# KiCad board HPM1500_DDR2_CORE_RevA.kicad_pcb (continued)
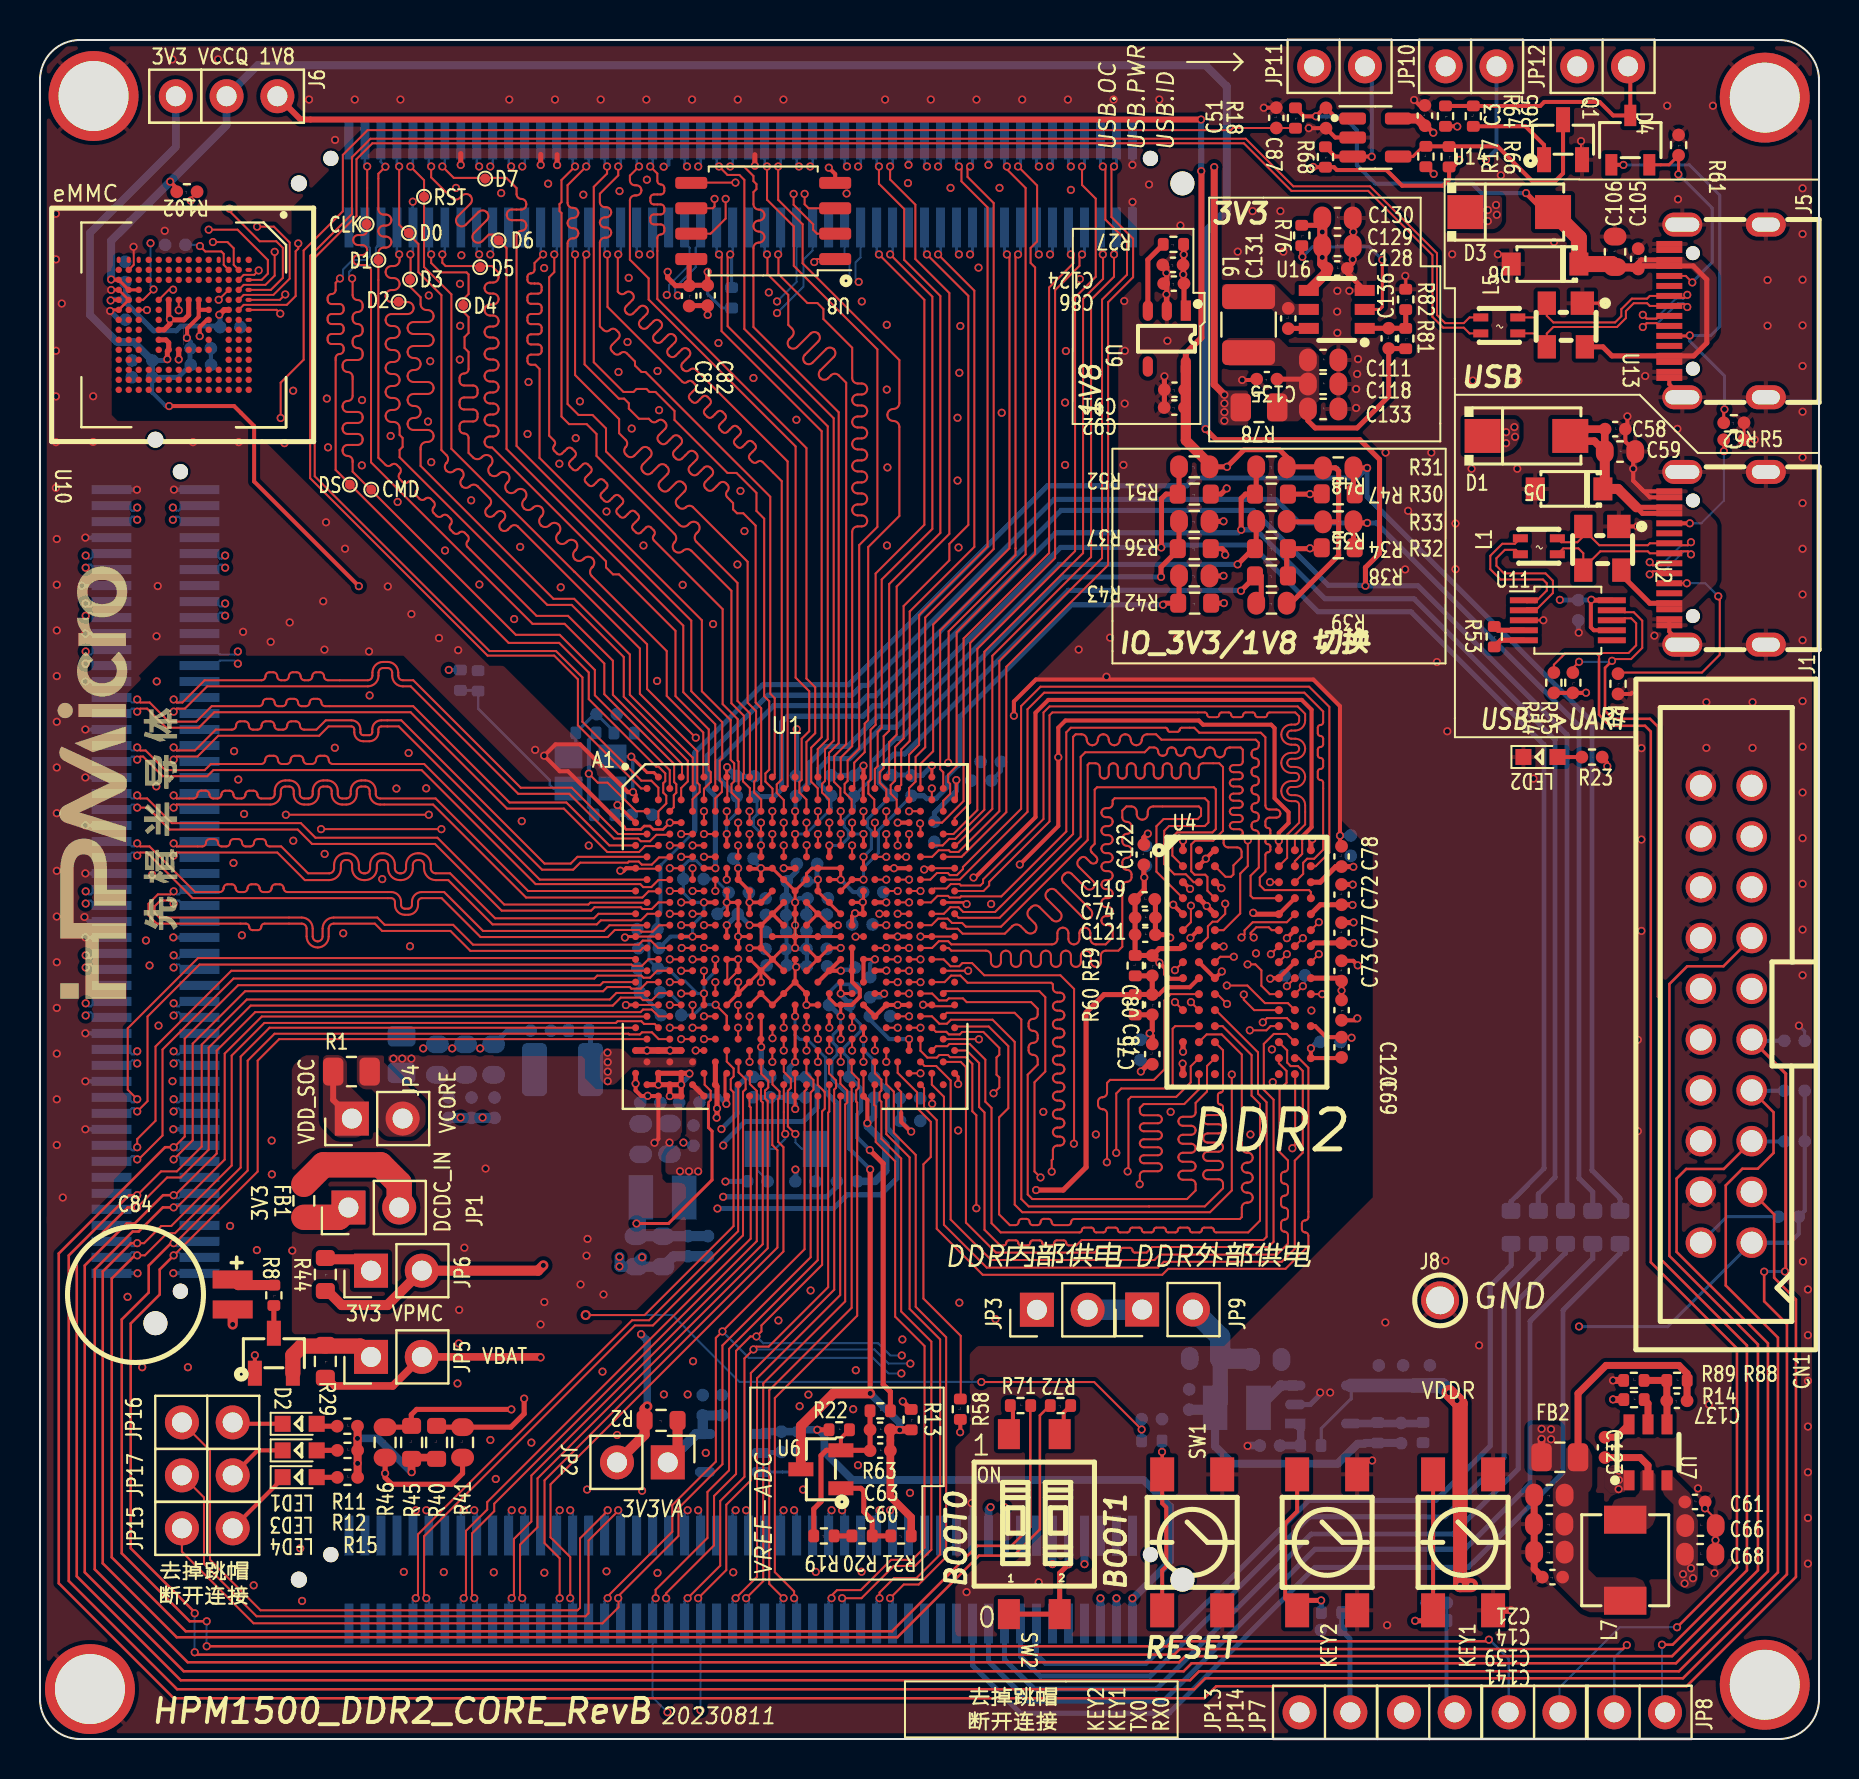
[diagram p0: board, top side]
## Routing (per net, layer and track width the routed paths; a pad name or vN(x,y) marks a point on that pad's centre or on a via; arc(x,y) is an arc through that point) (continued)
  Top w0.152: U1.G15 v1(37.78,45.27)
  Top w0.254: R35.2 60.84,59.55 ; v1(59.91,58.76) 60.69,59.54
  Bottom w0.152: C101.1 39.58,46.54 38.31,45.27 v1(37.78,45.27)
  Bottom w0.254: v1(59.91,58.76) 50.98,58.76 42.84,50.62 42.08,50.62 40.5,49.04 39.46,49.04 38.96,48.54 38.96,47.82 C101.1
/Main/MCU-04/VIO_B06: length 28.9
  Top w0.152: U1.G21 v1(41.19,45.27)
  Top w0.203: v1(39.49,44.7) U1.H18
  Top w0.254: R37.2 56.98,59.53 56.08,58.63 v1(56.08,58.14)
  Bottom w0.152: v1(41.19,45.27) 41.19,45.28 40.44,45.28 ; 40.44,45.28 40.44,45.08 40.06,44.7 v1(39.49,44.7) ; 40.44,45.28 40.44,45.43 40.23,45.64 40.23,45.99 40.73,46.49 C24.1 41.61,48.05 41.61,48.87 41.74,49.01
  Bottom w0.254: v1(56.08,58.14) 51.16,58.14 43.08,50.06 42.8,50.06 41.74,49.01
/Main/MCU-04/VIO_B07: length 30.5
  Top w0.152: U1.J21 v1(41.19,44.13)
  Top w0.254: v1(60.08,57.44) 60.82,58.19 61.09,58.19 61.09,56.82
  Bottom w0.152: C102.1 42.59,47.21 41.38,46 41.38,45.64 41.59,45.43 41.59,44.53 41.19,44.14 v1(41.19,44.13)
  Bottom w0.254: C102.1 41.98,47.85 41.98,48.53 42.72,49.28 43.24,49.28 51.44,57.47 60.06,57.47 v1(60.08,57.44)
/Main/MCU-05/VIO_B08: length 27.1
  Top w0.152: U1.K20 v1(41.19,42.99) ; 40.6,42.97 40.04,42.41
  Top w0.254: v1(56.18,56.74) 56.26,56.82 57,56.82 56.98,56.84 R43.2
  Bottom w0.152: C103.1 42.93,46.52 42.93,46.45 41.94,45.45 41.94,44.33 41.19,43.59 v1(41.19,42.99)
  Bottom w0.203: 45.99,48.74 45.38,48.12 45.38,47.6
  Bottom w0.254: v1(56.18,56.74) 51.61,56.74 45.99,51.13 45.99,48.74 ; 45.38,47.6 44.82,47.04 44.36,47.04 44.21,47.19 C103.1
/Main/MCU-05/VIO_B09: length 41.8
  Top w0.152: v1(39.49,35.58) U1.AB18 ; U1.AC21 v1(41.19,35.01)
  Top w0.254: v1(24.22,17.03) 24.22,16.27 23.55,15.6 R41.2 19.84,15.6
  In2.Cu w0.203: v1(39.49,35.58) 39.48,35.59 39.48,36.44 39.73,36.69 40.38,36.69 41.11,35.96 41.11,35.1 v1(41.19,35.01)
  In2.Cu w0.254: v1(24.22,17.03) 25.11,17.03 33.88,25.8 33.88,26.53 v1(33.89,26.54)
  Bottom w0.152: v1(41.19,35.01) 41.19,34.48 41.66,34.02 41.66,33.02
  Bottom w0.254: C2.1 42.39,32.44 42.39,30.56 42.87,30.08 42.87,28.05 42.05,27.22 40.39,27.22 39.7,26.54 v1(33.89,26.54)
/Main/MCU-06/VIO_B10: length 39.4
  Top w0.203: U1.AA15 v1(37.78,36.15)
  Top w0.254: 18.57,15.6 18.57,16.22 18.84,16.49 v1(23.58,16.49) ; 18.59,15.6 R46.2
  In2.Cu w0.254: v1(34.18,27.12) 34.39,26.91 34.39,25.52 25.36,16.49 v1(23.58,16.49)
  Bottom w0.152: v1(37.78,36.15) 37.78,35.22 38,35 38.39,35 39.31,34.09 39.31,32.37
  Bottom w0.254: v1(34.18,27.12) 39.35,27.12 39.86,27.63 39.86,31.82 39.31,32.37
/Main/MCU-08/DCDC_IN: length 13.6
  Top w0.254: U1.AG5 32.47,33.3 v1(32.49,33.29) ; U1.AG5 v1(32.08,32.73) ; U1.AG5 U1.AG3 v1(30.94,32.73) ; v1(30.94,32.73) U1.AH2 ; v1(30.94,32.73) U1.AH4 ; v1(32.08,32.73) U1.AH4 ; v1(32.08,32.73) U1.AJ5 v1(31.5,32.16) U1.AH4
  Top w1.27: JP1.2 17.97,27.79 17.04,28.72 14.18,28.72 FB1.1
  Bottom w0.254: v1(32.08,32.73) 32.08,32.77 32.49,33.19 v1(32.49,33.29)
/Main/MCU-08/DCDC_LP: length 2
  Bottom w0.254: L3.1 27.54,35.36 27.46,35.44
  vias: v1(28.39,34.34) v1(28.4,33.86) v1(28.4,33.39) v1(28.4,32.91)
/Main/MCU-08/DCDCM_LP: length 0.8
  Top w0.254: U1.AJ7 U1.AH6
  vias: v1(32.02,28.4) v1(32.47,28.4) v1(32.93,28.4)
/Main/MCU_09/ZQ: length 18.5
  Top w0.102: R58.2 46.06,17.03 46.06,20.17 44.19,22.04 44.19,28.75 44.56,29.12 44.56,30.88 43.88,31.56 43.88,32.35 42.91,33.32 U1.AF24
/Main/PA0: length 130.6
  Top w0.102: v1(7.74,4.34) 7.8,4.28 ; U1.AD2 11.97,35.01 10.89,33.94 10.89,28.39 6.7,24.2 v1(6.69,24.2)
  Top w0.127: v1(7.74,6.29) 7.74,6.34 4.54,9.54 4.54,20.79 5.99,22.24 5.99,23.49 6.69,24.19 v1(6.69,24.2) ; 7.84,4.24 v1(7.74,4.34) ; 7.8,4.28 7.86,4.22 56.74,4.22 57.02,4.5 79.18,4.5 v1(79.38,4.7)
  Bottom w0.102: v1(7.74,4.34) v1(7.74,6.29) ; v1(6.69,24.2) 6.84,24.35 6.95,24.35 7.2,24.1 J2.97
  Bottom w0.127: 78.75,1.35 78.75,4.07 v1(79.38,4.7)
/Main/PA0': length 66.1
  Top w0.102: R55.1 76.68,53.58 v1(76.99,53.89) ; v1(78.64,53.94) 78.73,54.03 79.59,54.03 80.15,54.59 80.15,55.95 79.73,56.37 79.28,56.37 79.18,56.47 U11.9
  Top w0.127: v1(81.14,4.72) 81.67,4.72 85.39,8.44 85.39,19.69 81.01,24.07 81.01,37.07 80.94,37.14 80.94,50.64 80.54,51.04 78.69,51.04 78.29,51.44 78.29,53.59 v1(78.64,53.94)
  Bottom w0.102: 81.29,1.35 81.14,1.5 v1(81.14,4.72) ; v1(78.64,53.94) 78.59,53.89 v1(76.99,53.89)
/Main/PA1: length 125.9
  Top w0.102: U1.AD4 30.95,35.01 30.61,35.35 30.11,35.35 30.01,35.25 29.47,35.25 29.44,35.28 11.74,35.28 10.39,33.94 10.39,28.44 6.76,24.81 v1(6.69,24.81)
  Top w0.127: v1(72.48,4.97) 72.4,4.89 56.63,4.89 56.38,4.64 v1(8.34,4.64) ; v1(8.34,5.89) 7.49,5.89 4.09,9.29 4.09,20.99 5.44,22.34 5.44,23.69 6.56,24.81 v1(6.69,24.81)
  Bottom w0.102: v1(6.69,24.81) 6.84,24.65 6.95,24.65 7.2,24.9 J2.95 ; v1(8.34,5.89) v1(8.34,4.64)
  Bottom w0.127: 73.47,1.36 73.47,4.01 72.52,4.97 v1(72.48,4.97)
/Main/PA1': length 70.7
  Top w0.102: 77.84,54.33 77.99,54.18 77.99,54.04 77.99,54.33 ; 77.84,54.33 76.32,54.33 75.73,53.74 R54.1 ; 77.84,54.33 77.99,54.33 ; 78.64,54.33 78.13,54.33 77.99,54.19 ; 78.64,54.33 77.99,54.33 ; 78.64,54.33 79.47,54.33 79.85,54.71 79.85,55.82 79.6,56.07 79.28,56.07 79.18,55.97 U11.8
  Top w0.127: 77.99,54.04 77.99,51.24 78.54,50.69 80.29,50.69 80.58,50.4 80.58,23.85 84.89,19.54 84.89,8.59 v1(81.89,5.59)
  Bottom w0.102: v1(81.89,5.59) 79.02,5.59 76.01,2.58 76.01,1.36
/Main/PA2: length 105.8
  Top w0.102: v1(4.86,24.2) 5.25,24.2 6.36,25.3 6.76,25.3 10.04,28.59 10.04,34.14 11.49,35.58 U1.AC1
  Top w0.127: v1(4.86,24.2) 4.75,24.2 3.59,23.04 3.59,9.09 7.29,5.39 42.62,5.39 46.9,9.66 48.59,9.66 49.54,10.61 49.54,16.66 R71.2
  Bottom w0.102: v1(4.86,24.2) 4.71,24.35 4.6,24.35 4.35,24.1 J2.98
/Main/PA3: length 109.5
  Top w0.102: v1(4.86,24.81) 5.21,24.81 6.07,25.66 6.57,25.66 9.59,28.69 9.59,34.19 11.23,35.82 28.81,35.82 28.9,35.91 30.08,35.91 30.22,35.77 30.75,35.77 U1.AC3
  Top w0.127: v1(4.86,24.81) 4.56,24.81 3.14,23.39 3.14,8.79 6.84,5.09 42.89,5.09 46.97,9.17 48.7,9.17 50.02,10.49 50.02,16.19 50.51,16.68 50.54,16.68
  Bottom w0.102: v1(4.86,24.81) 4.71,24.65 4.6,24.65 4.35,24.9 J2.96
/Main/PA4: length 175.7
  Top w0.102: v1(6.69,26.6) 6.85,26.6 9.24,28.99 9.24,34.29 11.1,36.14 30.36,36.14 U1.AB2
  Top w0.127: v1(6.69,26.6) 6.15,26.6 4.94,25.39 4.64,25.39 2.74,23.49 2.74,8.49 7.39,3.84 56.98,3.84 57.28,4.14 81.65,4.14 85.94,8.44 85.94,19.74 81.51,24.17 81.51,37.77 82.4,38.66 84.21,38.66 CN1.13
  Bottom w0.102: v1(6.69,26.6) 6.84,26.75 6.95,26.75 7.2,26.5 J2.91
/Main/PA5: length 170.6
  Top w0.102: v1(6.69,27.21) 6.76,27.21 8.84,29.29 8.84,34.44 10.76,36.36 30.04,36.36 30.17,36.49 30.61,36.49 30.94,36.15 U1.AB4
  Top w0.127: v1(6.69,27.21) 6.16,27.21 4.74,25.79 4.34,25.79 2.24,23.69 2.24,8.34 7.19,3.39 57.21,3.39 57.61,3.79 81.84,3.79 86.44,8.39 86.44,19.8 81.87,24.37 81.87,28.04 82.35,28.52 84.23,28.52 CN1.5
  Bottom w0.102: J2.89 7.2,27.3 6.95,27.05 6.84,27.05 v1(6.69,27.21)
  Bottom w0.203: R25.2 85.64,29.9 CN1.5
/Main/PA6: length 176.3
  Top w0.102: v1(4.86,27.21) 6.05,28.4 6.85,28.4 8.09,29.64 8.09,34.74 10.35,37 28.51,37 28.84,37.32 30.34,37.32 U1.Y2
  Top w0.127: v1(86.25,23.38) 86.25,21.9 87.39,20.76 87.39,8.24 82.19,3.04 58.29,3.04 57.74,2.49 6.86,2.49 1.44,7.91 1.44,24.19 4.46,27.21 v1(4.86,27.21)
  Top w0.152: v1(87.29,23.39) 87.33,23.43 87.33,33.29 CN1.9
  Bottom w0.102: v1(4.86,27.21) 4.71,27.05 4.6,27.05 4.35,27.3 J2.90
  Bottom w0.152: v1(87.29,23.39) 86.26,23.39 v1(86.25,23.38)
  Bottom w0.203: CN1.9 85.69,34.93 R24.1
/Main/PA7: length 173.9
  Top w0.102: v1(4.86,26.6) 6.36,28.09 7.04,28.09 8.44,29.49 8.44,34.59 10.54,36.69 28.65,36.69 29.05,37.09 30.03,37.09 30.16,36.96 30.61,36.96 30.96,37.32 31.55,37.32
  Top w0.127: v1(4.86,26.6) 4.4,26.6 1.84,24.04 1.84,8.14 7.04,2.94 57.53,2.94 57.98,3.39 81.99,3.39 86.94,8.34 86.94,20.08 84.33,22.69 84.33,27.7 85.16,28.53 85.93,28.53 86.72,29.32 86.72,31.36 CN1.7
  Bottom w0.102: J2.92 4.35,26.5 4.6,26.75 4.71,26.75 v1(4.86,26.6)
  Bottom w0.203: R16.2 85.65,32.43 CN1.7
/Main/PA8: length 167.3
  Top w0.102: v1(6.69,29.61) 6.71,29.61 7.24,30.14 7.24,35.04 9.91,37.71 28.02,37.71 28.18,37.86 U1.W1
  Top w0.127: CN1.3 86.75,26.25 86.75,23.08 87.84,21.99 87.84,8.11 82.37,2.64 58.84,2.64 58.24,2.04 6.69,2.04 0.94,7.79 0.94,24.29 6.26,29.61 v1(6.69,29.61)
  Bottom w0.102: v1(6.69,29.61) 6.84,29.45 6.95,29.45 7.2,29.7 J2.83
/Main/PA9: length 33.1
  Top w0.102: U1.W3 30.38,37.86 30.05,37.54 29.59,37.54 29.5,37.62 28.38,37.62 28.17,37.41 10.26,37.41 7.64,34.79 7.64,29.95 v1(6.69,29)
  Bottom w0.102: v1(6.69,29) 6.84,29.15 6.95,29.15 7.2,28.9 ; 7.2,28.9 J2.85 7.2,28.9
/Main/PA10: length 33
  Top w0.102: U1.V2 9.57,38.43 5.78,34.64 5.78,30.93 4.86,30.01 v1(4.86,29.61)
  Bottom w0.102: v1(4.86,29.61) 4.71,29.45 4.6,29.45 4.35,29.7 J2.84
/Main/PA11: length 34.6
  Top w0.102: v1(4.86,29) 4.93,29 6.13,30.19 6.13,34.49 9.68,38.04 27.73,38.04 27.88,38.19 30.08,38.19 30.19,38.09 30.52,38.09 30.87,38.43 U1.V4
  Bottom w0.102: v1(4.86,29) 4.71,29.15 4.6,29.15 4.35,28.9 J2.86
/Main/PA12: length 32.1
  Top w0.102: v1(4.86,32.01) 4.39,32.48 4.39,35.55 7.91,39.07 29.73,39.07 U1.U1
  Bottom w0.102: J2.78 4.35,32.1 4.6,31.85 4.71,31.85 v1(4.86,32.01)
/Main/PA13: length 33.3
  Top w0.102: 30.99,39.01 30.44,39.01 30.11,38.68 29.66,38.68 29.59,38.74 7.98,38.74 5.38,36.14 5.38,31.91 v1(4.86,31.4)
  Bottom w0.102: v1(4.86,31.4) 4.71,31.55 4.6,31.55 4.35,31.3 J2.80
/Main/PA14: length 31.3
  Top w0.102: v1(32.08,35.01) U1.AD6
  In2.Cu w0.102: v1(32.08,35.01) 30.64,35.01 30.54,35.11 17.12,35.11 13.74,31.74 13.39,31.74 arc(13.3,31.7) 13.26,31.61 arc(13.23,31.52) 13.14,31.49 12.79,31.49 arc(12.7,31.52) 12.66,31.61 12.66,31.87 arc(12.63,31.96) 12.54,31.99 12.19,31.99 arc(12.1,31.96) 12.06,31.87 12.06,31.61 arc(12.03,31.52) 11.94,31.49 11.59,31.49 arc(11.5,31.52) 11.46,31.61 11.46,31.87 arc(11.43,31.96) 11.34,31.99 10.99,31.99 arc(10.9,31.96) 10.86,31.87 10.86,31.61 arc(10.83,31.52) 10.74,31.49 10.39,31.49 arc(10.3,31.52) 10.26,31.61 10.26,31.87 arc(10.23,31.96) 10.14,31.99 9.79,31.99 arc(9.7,31.96) 9.66,31.87 arc(9.63,31.78) 9.54,31.74 7.59,31.74 7.25,31.4 v1(6.69,31.4)
  Bottom w0.102: J2.79 7.2,31.3 6.95,31.55 6.84,31.55 v1(6.69,31.4)
/Main/PA15: length 33.8
  Top w0.102: v1(33.22,35.01) U1.AD8
  In2.Cu w0.102: 32.72,35.01 32.62,35.01 32.26,35.37 31.87,35.37 31.73,35.23 31.11,35.23 30.93,35.41 16.87,35.41 14.19,32.74 13.79,32.74 arc(13.7,32.7) 13.66,32.61 arc(13.63,32.52) 13.54,32.49 13.19,32.49 arc(13.1,32.52) 13.06,32.61 13.06,32.87 arc(13.03,32.96) 12.94,32.99 12.59,32.99 arc(12.5,32.96) 12.46,32.87 12.46,32.61 arc(12.43,32.52) 12.34,32.49 11.99,32.49 arc(11.9,32.52) 11.86,32.61 11.86,32.87 arc(11.83,32.96) 11.74,32.99 11.39,32.99 arc(11.3,32.96) 11.26,32.87 11.26,32.61 arc(11.23,32.52) 11.14,32.49 10.79,32.49 arc(10.7,32.52) 10.66,32.61 10.66,32.87 arc(10.63,32.96) 10.54,32.99 10.19,32.99 arc(10.1,32.96) 10.06,32.87 10.06,32.61 arc(10.03,32.52) 9.94,32.49 9.59,32.49 arc(9.5,32.52) 9.46,32.61 9.46,32.87 arc(9.43,32.96) 9.34,32.99 8.99,32.99 arc(8.9,32.96) 8.86,32.87 8.86,32.61 arc(8.83,32.52) 8.74,32.49 8.39,32.49 arc(8.3,32.52) 8.26,32.61 arc(8.23,32.7) 8.14,32.74 7.42,32.74 v1(6.69,32.01) ; 32.72,35.01 v1(33.22,35.01) ; 32.72,35.01 32.64,35.01
  Bottom w0.102: J2.77 7.2,32.1 6.95,31.85 6.84,31.85 v1(6.69,32.01)
/Main/PA16: length 31.4
  Top w0.102: v1(31.5,35.58) U1.AC5
  In2.Cu w0.102: v1(31.5,35.58) 31.4,35.69 16.47,35.69 14.57,33.8 14.04,33.8 arc(13.91,33.75) 13.86,33.62 arc(13.81,33.5) 13.69,33.44 13.49,33.44 arc(13.36,33.5) 13.31,33.62 13.31,33.97 arc(13.26,34.1) 13.14,34.15 12.94,34.15 arc(12.81,34.1) 12.76,33.97 12.76,33.62 arc(12.71,33.5) 12.59,33.44 12.39,33.44 arc(12.26,33.5) 12.21,33.62 12.21,33.97 arc(12.16,34.1) 12.04,34.15 11.84,34.15 arc(11.71,34.1) 11.66,33.97 11.66,33.62 arc(11.61,33.5) 11.49,33.44 11.29,33.44 arc(11.16,33.5) 11.11,33.62 11.11,33.97 arc(11.06,34.1) 10.94,34.15 10.74,34.15 arc(10.61,34.1) 10.56,33.97 10.56,33.62 arc(10.51,33.5) 10.39,33.44 10.19,33.44 arc(10.06,33.5) 10.01,33.62 arc(9.96,33.75) 9.84,33.8 v1(6.69,33.8)
  Bottom w0.102: v1(6.69,33.8) 6.84,33.95 6.95,33.95 7.2,33.7 J2.73
/Main/PA17: length 31.4
  Top w0.102: v1(32.65,35.58) U1.AC7
  In2.Cu w0.102: v1(6.69,34.41) 7.22,34.94 9.34,34.94 arc(9.5,34.87) 9.57,34.71 arc(9.63,34.56) 9.79,34.49 9.89,34.49 arc(10.05,34.56) 10.12,34.71 arc(10.18,34.87) 10.34,34.94 10.44,34.94 arc(10.6,34.87) 10.67,34.71 arc(10.73,34.56) 10.89,34.49 10.99,34.49 arc(11.15,34.56) 11.22,34.71 arc(11.28,34.87) 11.44,34.94 11.54,34.94 arc(11.7,34.87) 11.77,34.71 arc(11.83,34.56) 11.99,34.49 12.09,34.49 arc(12.25,34.56) 12.32,34.71 arc(12.38,34.87) 12.54,34.94 12.64,34.94 arc(12.8,34.87) 12.87,34.71 arc(12.93,34.56) 13.09,34.49 13.19,34.49 arc(13.35,34.56) 13.42,34.71 arc(13.48,34.87) 13.64,34.94 13.74,34.94 arc(13.9,34.87) 13.97,34.71 arc(14.03,34.56) 14.19,34.49 14.29,34.49 arc(14.45,34.56) 14.52,34.71 arc(14.58,34.87) 14.74,34.94 15.28,34.94 16.34,36 32.23,36 v1(32.65,35.58)
  Bottom w0.102: v1(6.69,34.41) 6.84,34.25 6.95,34.25 7.2,34.5 J2.71
/Main/PA18: length 35.4
  Top w0.102: v1(32.65,36.72) U1.AB6
  In2.Cu w0.102: v1(32.65,36.72) 32.65,37.37 32.37,37.65 31.83,37.65 31.59,37.41 ; 31.59,37.41 31.23,37.41 31.01,37.63 8.27,37.63 7.91,37.27 4.07,37.27 3.79,36.99 3.79,36.26 4,36.05 4.43,36.05 4.86,35.62 v1(4.86,34.41)
  Bottom w0.102: v1(4.86,34.41) 4.71,34.25 4.6,34.25 4.35,34.5 J2.72
/Main/PA19: length 31.6
  Top w0.102: U1.AB8 v1(33.22,36.15)
  In2.Cu w0.102: v1(4.86,33.8) 4.89,33.8 6.39,35.29 14.76,35.29 15.91,36.44 28.78,36.44 28.93,36.29 32.87,36.29 33.01,36.15 v1(33.22,36.15)
  Bottom w0.102: v1(4.86,33.8) 4.71,33.95 4.6,33.95 4.35,33.7 J2.74
/Main/PA20: length 31.4
  Top w0.102: v1(31.5,36.72) U1.AA5
  In2.Cu w0.102: v1(31.5,36.72) 30.89,36.72 30.54,37.08 28.89,37.08 28.7,36.89 15.69,36.89 14.57,35.77 13.79,35.77 arc(13.65,35.83) 13.59,35.97 arc(13.53,36.11) 13.39,36.17 arc(13.25,36.11) 13.19,35.97 arc(13.13,35.83) 12.99,35.77 arc(12.85,35.83) 12.79,35.97 arc(12.73,36.11) 12.59,36.17 arc(12.45,36.11) 12.39,35.97 arc(12.33,35.83) 12.19,35.77 arc(12.05,35.83) 11.99,35.97 arc(11.93,36.11) 11.79,36.17 arc(11.65,36.11) 11.59,35.97 arc(11.53,35.83) 11.39,35.77 arc(11.25,35.83) 11.19,35.97 arc(11.13,36.11) 10.99,36.17 arc(10.85,36.11) 10.79,35.97 arc(10.73,35.83) 10.59,35.77 arc(10.45,35.83) 10.39,35.97 arc(10.33,36.11) 10.19,36.17 arc(10.05,36.11) 9.99,35.97 arc(9.93,35.83) 9.79,35.77 arc(9.65,35.83) 9.59,35.97 arc(9.53,36.11) 9.39,36.17 arc(9.25,36.11) 9.19,35.97 arc(9.13,35.83) 8.99,35.77 arc(8.85,35.83) 8.79,35.97 arc(8.73,36.11) 8.59,36.17 arc(8.45,36.11) 8.39,35.97 arc(8.33,35.83) 8.19,35.77 arc(8.05,35.83) 7.99,35.97 arc(7.93,36.11) 7.79,36.17 arc(7.65,36.11) 7.59,35.97 arc(7.53,35.83) 7.39,35.77 7.12,35.77 v1(6.69,36.2)
  Bottom w0.102: v1(6.69,36.2) 6.84,36.35 6.95,36.35 7.2,36.1 J2.67
/Main/PA21: length 31.4
  Top w0.102: v1(32.08,37.29) U1.Y6
  In2.Cu w0.102: v1(6.69,36.81) 8.1,36.81 8.49,37.2 9.79,37.2 arc(10,37.11) 10.09,36.9 10.09,36.8 arc(10.18,36.59) 10.39,36.5 arc(10.6,36.59) 10.69,36.8 10.69,36.9 arc(10.78,37.11) 10.99,37.2 arc(11.2,37.11) 11.29,36.9 11.29,36.8 arc(11.38,36.59) 11.59,36.5 arc(11.8,36.59) 11.89,36.8 11.89,36.9 arc(11.98,37.11) 12.19,37.2 arc(12.4,37.11) 12.49,36.9 12.49,36.8 arc(12.58,36.59) 12.79,36.5 arc(13,36.59) 13.09,36.8 13.09,36.9 arc(13.18,37.11) 13.39,37.2 arc(13.6,37.11) 13.69,36.9 13.69,36.8 arc(13.78,36.59) 13.99,36.5 arc(14.2,36.59) 14.29,36.8 14.29,36.9 arc(14.38,37.11) 14.59,37.2 28.58,37.2 28.74,37.35 30.75,37.35 30.99,37.11 31.9,37.11 v1(32.08,37.29)
  Bottom w0.102: J2.65 7.2,36.9 6.95,36.65 6.84,36.65 v1(6.69,36.81)
/Main/PA22: length 36.9
  Top w0.102: v1(33.78,37.86) U1.Y8
  In2.Cu w0.102: v1(33.78,37.86) 33.59,38.05 31.82,38.05 31.65,38.22 31.36,38.22 31.29,38.15 17.38,38.15 16.44,39.09 8.58,39.09 7.68,38.19 2.63,38.19 1.68,37.24 1.68,36.59 2.08,36.2 v1(2.29,36.2)
  Bottom w0.102: v1(2.29,36.2) 2.44,36.35 2.55,36.35 2.8,36.1 J2.68
/Main/PA23: length 38.3
  Top w0.102: v1(31.5,37.86) U1.W5
  In2.Cu w0.102: v1(2.29,36.81) 3.37,37.89 7.93,37.89 8.03,37.99 8.74,37.99 arc(8.93,38.07) 9.02,38.26 9.02,38.41 arc(9.1,38.61) 9.29,38.69 arc(9.48,38.61) 9.57,38.41 9.57,38.26 arc(9.65,38.07) 9.84,37.99 arc(10.03,38.07) 10.12,38.26 10.12,38.41 arc(10.2,38.61) 10.39,38.69 arc(10.58,38.61) 10.67,38.41 10.67,38.26 arc(10.75,38.07) 10.94,37.99 arc(11.13,38.07) 11.22,38.26 11.22,38.41 arc(11.3,38.61) 11.49,38.69 arc(11.68,38.61) 11.77,38.41 11.77,38.26 arc(11.85,38.07) 12.04,37.99 arc(12.23,38.07) 12.32,38.26 12.32,38.41 arc(12.4,38.61) 12.59,38.69 arc(12.78,38.61) 12.87,38.41 12.87,38.26 arc(12.95,38.07) 13.14,37.99 arc(13.33,38.07) 13.42,38.26 13.42,38.41 arc(13.5,38.61) 13.69,38.69 arc(13.88,38.61) 13.97,38.41 13.97,38.26 arc(14.05,38.07) 14.24,37.99 arc(14.43,38.07) 14.52,38.26 14.52,38.41 arc(14.6,38.61) 14.79,38.69 arc(14.98,38.61) 15.07,38.41 15.07,38.26 arc(15.15,38.07) 15.34,37.99 arc(15.53,38.07) 15.62,38.26 15.62,38.41 arc(15.7,38.61) 15.89,38.69 arc(16.08,38.61) 16.17,38.41 16.17,38.26 arc(16.25,38.07) 16.44,37.99 17,37.99 17.09,37.9 31.47,37.9 v1(31.5,37.86)
  Bottom w0.102: v1(2.29,36.81) 2.44,36.65 2.55,36.65 2.8,36.9 J2.66
/Main/PA24: length 38.7
  Top w0.102: U1.W7 v1(33.22,38.43)
  In2.Cu w0.102: v1(33.22,38.43) 32.65,38.43 32.29,38.79 31.84,38.79 31.7,38.65 31.16,38.65 31.05,38.76 28.41,38.76 28.18,38.99 20.05,38.99 17.56,41.49 17.24,41.49 arc(17.13,41.45) 17.09,41.34 arc(17.05,41.23) 16.94,41.19 16.69,41.19 arc(16.58,41.23) 16.54,41.34 16.54,41.64 arc(16.5,41.75) 16.39,41.79 16.14,41.79 arc(16.03,41.75) 15.99,41.64 15.99,41.34 arc(15.95,41.23) 15.84,41.19 15.59,41.19 arc(15.48,41.23) 15.44,41.34 15.44,41.64 arc(15.4,41.75) 15.29,41.79 15.04,41.79 arc(14.93,41.75) 14.89,41.64 14.89,41.34 arc(14.85,41.23) 14.74,41.19 14.49,41.19 arc(14.38,41.23) 14.34,41.34 14.34,41.64 arc(14.3,41.75) 14.19,41.79 13.94,41.79 arc(13.83,41.75) 13.79,41.64 13.79,41.34 arc(13.75,41.23) 13.64,41.19 13.39,41.19 arc(13.28,41.23) 13.24,41.34 13.24,41.64 arc(13.2,41.75) 13.09,41.79 12.84,41.79 arc(12.73,41.75) 12.69,41.64 12.69,41.34 arc(12.65,41.23) 12.54,41.19 12.29,41.19 arc(12.18,41.23) 12.14,41.34 12.14,41.64 arc(12.1,41.75) 11.99,41.79 11.74,41.79 arc(11.63,41.75) 11.59,41.64 11.59,41.34 arc(11.55,41.23) 11.44,41.19 11.19,41.19 arc(11.08,41.23) 11.04,41.34 11.04,41.64 arc(11,41.75) 10.89,41.79 10.64,41.79 arc(10.53,41.75) 10.49,41.64 10.49,41.34 arc(10.45,41.23) 10.34,41.19 10.09,41.19 arc(9.98,41.23) 9.94,41.34 9.94,41.64 arc(9.9,41.75) 9.79,41.79 9.54,41.79 arc(9.43,41.75) 9.39,41.64 9.39,41.34 arc(9.35,41.23) 9.24,41.19 8.99,41.19 arc(8.88,41.23) 8.84,41.34 arc(8.8,41.45) 8.69,41.49 8.17,41.49 7.39,40.7 7.39,39.35 7.09,39.05 6.84,39.05 v1(6.69,39.21)
  Bottom w0.102: v1(6.69,39.21) 6.84,39.05 6.95,39.05 7.2,39.3 J2.59
/Main/PA25: length 38.7
  Top w0.102: U1.V6 v1(32.08,38.43)
  In2.Cu w0.102: v1(32.08,38.43) 28.28,38.43 28.03,38.69 18.04,38.69 17.04,39.69 16.72,39.69 arc(16.54,39.76) 16.47,39.94 16.47,40.04 arc(16.39,40.22) 16.22,40.29 arc(16.04,40.22) 15.97,40.04 15.97,39.51 arc(15.91,39.39) 15.79,39.34 15.64,39.34 arc(15.52,39.39) 15.47,39.51 arc(15.41,39.64) 15.29,39.69 15.14,39.69 arc(15.02,39.64) 14.97,39.51 arc(14.91,39.39) 14.79,39.34 14.64,39.34 arc(14.52,39.39) 14.47,39.51 14.47,40.24 arc(14.39,40.42) 14.22,40.49 arc(14.04,40.42) 13.97,40.24 13.97,39.51 arc(13.91,39.39) 13.79,39.34 13.64,39.34 arc(13.52,39.39) 13.47,39.51 arc(13.41,39.64) 13.29,39.69 13.14,39.69 arc(13.02,39.64) 12.97,39.51 arc(12.91,39.39) 12.79,39.34 12.64,39.34 arc(12.52,39.39) 12.47,39.51 12.47,40.24 arc(12.39,40.42) 12.22,40.49 arc(12.04,40.42) 11.97,40.24 11.97,39.51 arc(11.91,39.39) 11.79,39.34 11.64,39.34 arc(11.52,39.39) 11.47,39.51 11.47,40.24 arc(11.39,40.42) 11.22,40.49 arc(11.04,40.42) 10.97,40.24 10.97,39.51 arc(10.91,39.39) 10.79,39.34 10.64,39.34 arc(10.52,39.39) 10.47,39.51 arc(10.41,39.64) 10.29,39.69 10.14,39.69 arc(10.02,39.64) 9.97,39.51 arc(9.91,39.39) 9.79,39.34 9.64,39.34 arc(9.52,39.39) 9.47,39.51 9.47,40.24 arc(9.39,40.42) 9.22,40.49 arc(9.04,40.42) 8.97,40.24 8.97,39.51 arc(8.91,39.39) 8.79,39.34 8.64,39.34 arc(8.52,39.39) 8.47,39.51 arc(8.41,39.64) 8.29,39.69 8.16,39.69 7.22,38.75 6.84,38.75 v1(6.69,38.6)
  Bottom w0.102: J2.61 7.2,38.5 6.95,38.75 6.84,38.75 v1(6.69,38.6)
/Main/PA26: length 38.5
  Top w0.102: v1(31.5,39) U1.U5
  In2.Cu w0.102: v1(31.5,39) 31.44,39.07 28.66,39.07 28.25,39.48 20.37,39.48 17.71,42.14 15.39,42.14 14.99,42.54 14.04,42.54 arc(13.93,42.5) 13.89,42.39 arc(13.85,42.29) 13.74,42.24 13.49,42.24 arc(13.38,42.29) 13.34,42.39 13.34,42.69 arc(13.3,42.8) 13.19,42.84 12.94,42.84 arc(12.83,42.8) 12.79,42.69 12.79,42.39 arc(12.75,42.29) 12.64,42.24 12.39,42.24 arc(12.28,42.29) 12.24,42.39 12.24,42.69 arc(12.2,42.8) 12.09,42.84 11.84,42.84 arc(11.73,42.8) 11.69,42.69 11.69,42.39 arc(11.65,42.29) 11.54,42.24 11.29,42.24 arc(11.18,42.29) 11.14,42.39 11.14,42.69 arc(11.1,42.8) 10.99,42.84 10.74,42.84 arc(10.63,42.8) 10.59,42.69 10.59,42.39 arc(10.55,42.29) 10.44,42.24 10.19,42.24 arc(10.08,42.29) 10.04,42.39 10.04,42.69 arc(10,42.8) 9.89,42.84 9.64,42.84 arc(9.53,42.8) 9.49,42.69 9.49,42.39 arc(9.45,42.29) 9.34,42.24 9.09,42.24 arc(8.98,42.29) 8.94,42.39 arc(8.9,42.5) 8.79,42.54 8.08,42.54 6.38,40.84 5.15,40.84 2.9,38.6 v1(2.29,38.6)
  Bottom w0.102: v1(2.29,38.6) 2.44,38.75 2.55,38.75 2.8,38.5 J2.62
/Main/PA27: length 38.3
  Top w0.102: U1.U7 v1(32.65,39)
  In2.Cu w0.102: v1(2.29,39.21) 2.61,39.21 6.47,43.07 8.8,43.07 9.02,43.29 10.3,43.29 10.6,43.59 10.84,43.59 arc(10.95,43.63) 10.99,43.74 arc(11.03,43.85) 11.14,43.89 11.44,43.89 arc(11.55,43.85) 11.59,43.74 11.59,43.44 arc(11.63,43.33) 11.74,43.29 12.04,43.29 arc(12.15,43.33) 12.19,43.44 12.19,43.74 arc(12.23,43.85) 12.34,43.89 12.64,43.89 arc(12.75,43.85) 12.79,43.74 12.79,43.44 arc(12.83,43.33) 12.94,43.29 13.24,43.29 arc(13.35,43.33) 13.39,43.44 13.39,43.74 arc(13.43,43.85) 13.54,43.89 13.84,43.89 arc(13.95,43.85) 13.99,43.74 arc(14.03,43.63) 14.14,43.59 14.59,43.59 15.58,42.59 17.82,42.59 20.55,39.86 28.44,39.86 28.95,39.36 31.76,39.36 31.91,39.21 32.44,39.21 v1(32.65,39)
  Bottom w0.102: J2.60 2.8,39.3 2.55,39.05 2.44,39.05 v1(2.29,39.21)
/Main/PC0: length 58.1
  Top w0.102: U10.H5 6.94,71.48 v1(6.94,71.48) ; U1.E3 30.94,46.41 31.33,46.8 31.33,47.19 31.18,47.35 31.18,47.82 31.28,47.92 31.28,48.31 30.94,48.64 30.83,48.64 27.45,52.02 27.45,53.36 25.97,54.84 23.44,54.84 14.79,63.49 14.79,69.09 arc(14.85,69.23) 14.99,69.29 arc(15.13,69.35) 15.19,69.49 15.19,69.59 arc(15.13,69.73) 14.99,69.79 14.59,69.79 arc(14.45,69.85) 14.39,69.99 14.39,70.09 arc(14.45,70.23) 14.59,70.29 14.99,70.29 arc(15.13,70.35) 15.19,70.49 15.19,70.59 arc(15.13,70.73) 14.99,70.79 14.59,70.79 arc(14.45,70.85) 14.39,70.99 14.39,71.09 arc(14.45,71.23) 14.59,71.29 14.99,71.29 arc(15.13,71.35) 15.19,71.49 15.19,71.59 arc(15.13,71.73) 14.99,71.79 14.59,71.79 arc(14.45,71.85) 14.39,71.99 14.39,72.09 arc(14.45,72.23) 14.59,72.29 arc(14.73,72.35) 14.79,72.49 14.79,72.85 v1(15.01,73.07)
  In2.Cu w0.102: v1(15.01,73.07) 11.9,73.07 11.73,72.9 11.73,72.84 arc(11.66,72.68) 11.51,72.61 11.21,72.61 arc(11.05,72.55) 10.98,72.39 arc(11.05,72.23) 11.21,72.16 11.51,72.16 arc(11.66,72.1) 11.73,71.94 arc(11.66,71.78) 11.51,71.71 11.21,71.71 arc(11.05,71.65) 10.98,71.49 arc(11.05,71.33) 11.21,71.26 11.51,71.26 arc(11.66,71.2) 11.73,71.04 11.73,70.84 11.43,70.54 10.95,70.54 arc(10.74,70.63) 10.65,70.85 arc(10.56,71.06) 10.34,71.15 arc(10.13,71.06) 10.04,70.85 arc(9.95,70.63) 9.73,70.54 9.59,70.54 9.45,70.68 9.45,71.37 9.17,71.65 8.66,71.65 8.41,71.9 7.36,71.9 v1(6.94,71.48)
  Bottom w0.102: J3.4 16.25,74.85 16.5,74.6 16.5,74.17 16.32,73.99 15.63,73.99 15.16,73.52 15.16,73.22 v1(15.01,73.07)
/Main/PC1: length 64.5
  Top w0.097: v1(5.68,72.52) 5.16,72 U10.M5
  Top w0.102: R102.1 7.54,77.09 v1(7.54,76.96) ; 16.56,62.51 TRST10.1 ; U1.B4 31.5,48.47 27.76,52.22 27.76,53.48 26,55.24 23.81,55.24 15.64,63.41 15.64,63.94 arc(15.57,64.12) 15.39,64.19 arc(15.21,64.26) 15.14,64.44 15.14,64.49 arc(15.21,64.67) 15.39,64.74 15.89,64.74 arc(16.07,64.81) 16.14,64.99 16.14,65.04 arc(16.07,65.22) 15.89,65.29 15.39,65.29 arc(15.21,65.36) 15.14,65.54 15.14,65.59 arc(15.21,65.77) 15.39,65.84 15.89,65.84 arc(16.07,65.91) 16.14,66.09 16.14,66.14 arc(16.07,66.32) 15.89,66.39 15.39,66.39 arc(15.21,66.46) 15.14,66.64 15.14,66.69 arc(15.21,66.87) 15.39,66.94 arc(15.57,67.01) 15.64,67.19 15.64,68.14 arc(15.57,68.32) 15.39,68.39 arc(15.21,68.46) 15.14,68.64 15.14,68.74 arc(15.21,68.92) 15.39,68.99 15.89,68.99 arc(16.07,69.06) 16.14,69.24 16.14,69.34 arc(16.07,69.52) 15.89,69.59 arc(15.71,69.66) 15.64,69.84 15.64,69.94 arc(15.71,70.12) 15.89,70.19 arc(16.07,70.26) 16.14,70.44 16.14,70.54 arc(16.07,70.72) 15.89,70.79 arc(15.71,70.86) 15.64,71.04 15.64,71.14 arc(15.71,71.32) 15.89,71.39 arc(16.07,71.46) 16.14,71.64 16.14,71.74 arc(16.07,71.92) 15.89,71.99 arc(15.71,72.06) 15.64,72.24 15.64,73.04 v1(15.61,73.07)
  In2.Cu w0.102: v1(5.68,72.52) 6.18,72.02 6.84,72.02 7.12,72.3 7.12,72.8 7.36,73.04 7.51,73.04 arc(7.71,72.96) 7.79,72.76 7.79,72.61 arc(7.87,72.41) 8.07,72.33 arc(8.27,72.41) 8.35,72.61 8.35,72.76 arc(8.44,72.96) 8.63,73.04 arc(8.83,72.96) 8.92,72.76 8.92,72.61 arc(9,72.41) 9.2,72.33 arc(9.39,72.41) 9.48,72.61 9.48,72.76 arc(9.56,72.96) 9.76,73.04 arc(9.96,72.96) 10.04,72.76 10.04,72.61 arc(10.12,72.41) 10.32,72.33 arc(10.52,72.41) 10.6,72.61 10.6,72.76 arc(10.68,72.96) 10.88,73.04 11.26,73.04 11.66,73.44 15.24,73.44 v1(15.61,73.07) ; v1(5.53,74.83) 5.53,75.5 6.99,76.96 v1(7.54,76.96)
  Bottom w0.102: v1(15.61,73.07) 15.46,73.22 15.46,73.4 15.76,73.69 16.44,73.69 16.8,74.05 16.8,74.6 17.05,74.85 J3.6 ; v1(5.68,72.52) 5.53,72.67 v1(5.53,74.83)
